# Altium PCB fpga.PcbDoc (part 11 of 11)
Units mm, origin at the board's own origin, x right, y up, seen from the top; angles counter-clockwise.
Board outline 210 x 210 mm, 2 copper layers (Top Layer, Bottom Layer), stack 1.591 mm thick; 639 components, 1839 nets, 4759 pads, 4016 vias.
Unrouted connection lines stored in the file: 10.
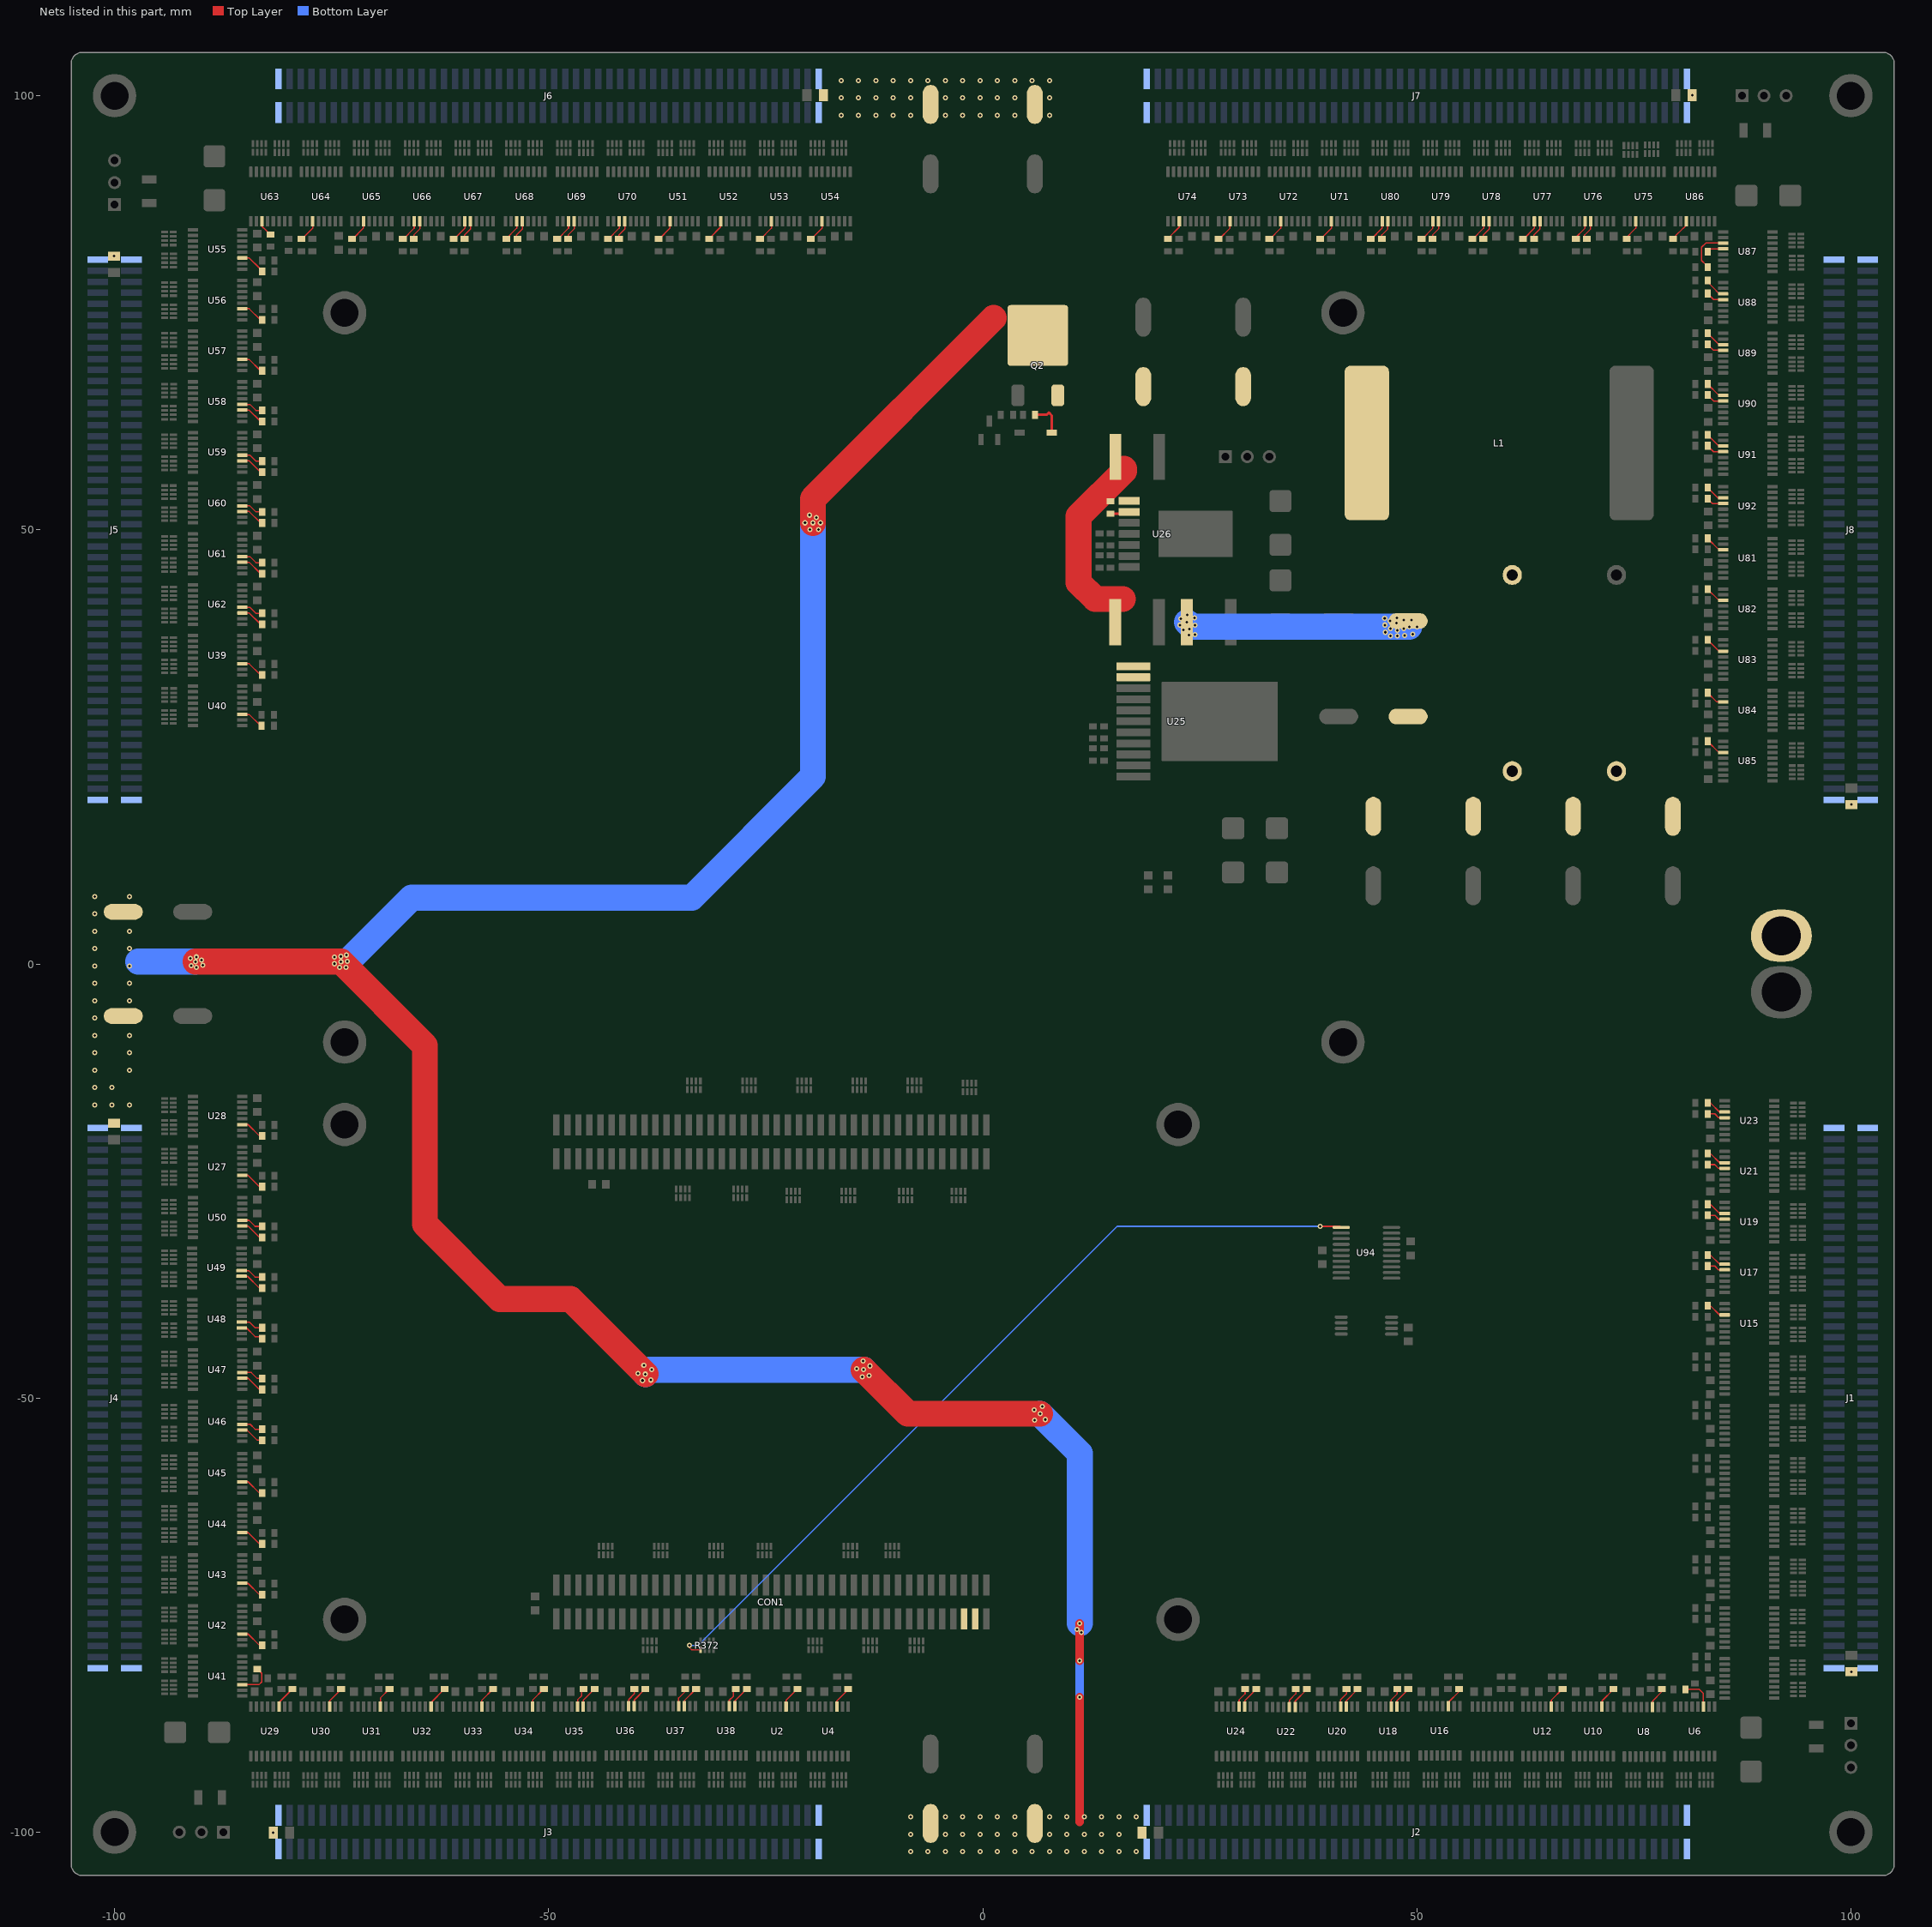
[diagram p11: the nets of this part, all layers, seen from the top]

## Via types
v1: diameter 0.6, hole 0.3, Top Layer to Bottom Layer, tented both sides, 3924 vias
v2: diameter 0.8, hole 0.4, Top Layer to Bottom Layer, tented both sides, 89 vias
v3: diameter 0.6, hole 0.3, Top Layer to Bottom Layer, 3 vias

## Nets (pads, with @x,y where several pads share a name; then routed paths per layer and width w, separated by ;. In a path a pad name is that pad's centre, name@x,y a point inside that pad or via, vN(x,y) a via of type N, cw(c..) or ccw(c..) an arc to the next point about the centre after c; other vN are vias at no path point) (continued)
NetR241_2: R241.2 U46.12 | length 2.5
  Top Layer w0.15: U46.12@-85.288,-53.03 -84.384,-53.03 -83.82,-53.594 R241.2@-82.996,-53.594
NetR242_2: R242.2 U58.12 | length 2.3
  Top Layer w0.15: U58.12@-85.288,64.445 -84.409,64.445 -83.718,63.754 R242.2@-83.25,63.754
NetR243_2: R243.2 U66.12 | length 2.3
  Top Layer w0.15: R243.2@-65.532,83.504 -65.532,83.972 -64.841,84.663 U66.12@-64.841,85.542
NetR244_2: R244.2 U76.12 | length 2.3
  Top Layer w0.15: R244.2@69.342,83.504 69.342,83.972 70.033,84.663 U76.12@70.033,85.542
NetR245_2: R245.2 U15.11 | length 2.4
  Top Layer w0.15: R245.2@83.504,-39.37 83.82,-39.37 84.877,-40.427 U15.11@85.47,-40.427
NetR246_2: R246.2 U16.11 | length 2.5
  Top Layer w0.15: U16.11@53.654,-85.486 53.654,-85.03 54.864,-83.82 R246.2@54.864,-83.504
NetR247_2: R247.2 U17.12 | length 2.1
  Top Layer w0.15: R247.2@83.504,-34.798 84.328,-34.798 84.765,-35.235 U17.12@85.47,-35.235
NetR248_2: R248.2 U18.12 | length 2.3
  Top Layer w0.15: U18.12@47.061,-85.542 47.061,-84.765 47.752,-84.074 R248.2@47.752,-83.504
NetR249_2: R249.2 U35.12 | length 2.3
  Top Layer w0.15: U35.12@-46.665,-85.542 -46.665,-84.765 -46.228,-84.328 -46.228,-83.758 R249.2@-45.974,-83.504
NetR250_2: R250.2 U47.12 | length 2.6
  Top Layer w0.15: U47.12@-85.288,-47.061 -84.257,-47.061 -83.566,-47.752 R250.2@-82.996,-47.752
NetR251_2: R251.2 U59.12 | length 2.3
  Top Layer w0.15: U59.12@-85.288,58.603 -84.409,58.603 -83.718,57.912 R251.2@-83.25,57.912
NetR252_2: R252.2 U67.12 | length 2.3
  Top Layer w0.15: R252.2@-59.69,83.504 -59.69,83.972 -58.999,84.663 U67.12@-58.999,85.542
NetR253_2: R253.2 U77.12 | length 2.3
  Top Layer w0.15: R253.2@63.5,83.504 63.5,83.972 64.191,84.663 U77.12@64.191,85.542
NetR254_2: R254.2 U17.11 | length 2.4
  Top Layer w0.15: R254.2@83.504,-33.528 83.82,-33.528 84.877,-34.585 U17.11@85.47,-34.585
NetR255_2: R255.2 U18.11 | length 2.6
  Top Layer w0.15: U18.11@47.711,-85.542 47.711,-84.877 49.022,-83.566 R255.2@49.022,-83.504
NetR256_2: R256.2 U19.12 | length 2.2
  Top Layer w0.15: R256.2@83.504,-28.956 84.328,-28.956 84.836,-29.464 85.399,-29.464 U19.12@85.47,-29.393
NetR257_2: R257.2 U20.12 | length 2.3
  Top Layer w0.15: U20.12@41.219,-85.542 41.219,-84.765 41.91,-84.074 R257.2@41.91,-83.504
NetR258_2: R258.2 U36.12 | length 2.3
  Top Layer w0.15: U36.12@-40.782,-85.486 -40.782,-84.724 -40.132,-84.074 R258.2@-40.132,-83.504
NetR259_2: R259.2 U48.12 | length 2.6
  Top Layer w0.15: U48.12@-85.344,-41.26 -84.47,-41.26 -83.82,-41.91 R259.2@-82.996,-41.91
NetR260_2: R260.2 U60.12 | length 2.3
  Top Layer w0.15: U60.12@-85.288,52.761 -84.409,52.761 -83.718,52.07 R260.2@-83.25,52.07
NetR261_2: R261.2 U68.12 | length 2.3
  Top Layer w0.15: R261.2@-53.721,83.504 -53.721,83.972 -53.03,84.663 U68.12@-53.03,85.542
NetR262_2: R262.2 U78.12 | length 2.3
  Top Layer w0.15: R262.2@57.658,83.504 57.658,83.972 58.349,84.663 U78.12@58.349,85.542
NetR263_2: R263.2 U19.11 | length 2.4
  Top Layer w0.15: R263.2@83.504,-27.686 83.82,-27.686 84.877,-28.743 U19.11@85.47,-28.743
NetR264_2: R264.2 U20.11 | length 2.6
  Top Layer w0.15: U20.11@41.869,-85.542 41.869,-84.877 43.18,-83.566 R264.2@43.18,-83.504
NetR265_2: R265.2 U21.12 | length 2.1
  Top Layer w0.15: R265.2@83.504,-23.114 84.328,-23.114 84.765,-23.551 U21.12@85.47,-23.551
NetR266_2: R266.2 U22.12 | length 2.4
  Top Layer w0.15: U22.12@35.336,-85.598 35.336,-84.806 36.068,-84.074 R266.2@36.068,-83.504
NetR267_2: R267.2 U37.12 | length 2.3
  Top Layer w0.15: U37.12@-35.022,-85.486 -35.022,-84.552 -34.29,-83.82 R267.2@-34.29,-83.504
NetR268_2: R268.2 U49.12 | length 2.7
  Top Layer w0.15: U49.12@-85.364,-35.326 -84.562,-35.326 -83.82,-36.068 R268.2@-82.996,-36.068
NetR269_2: R269.2 U61.12 | length 2.3
  Top Layer w0.15: U61.12@-85.288,46.919 -84.409,46.919 -83.718,46.228 R269.2@-83.25,46.228
NetR270_2: R270.2 U69.12 | length 2.3
  Top Layer w0.15: R270.2@-47.752,83.504 -47.752,83.972 -47.061,84.663 U69.12@-47.061,85.542
NetR271_2: R271.2 U79.12 | length 2.3
  Top Layer w0.15: R271.2@51.816,83.504 51.816,83.972 52.507,84.663 U79.12@52.507,85.542
NetR272_2: R272.2 U21.11 | length 2.4
  Top Layer w0.15: R272.2@83.504,-21.844 83.82,-21.844 84.877,-22.901 U21.11@85.47,-22.901
NetR273_2: R273.2 U22.11 | length 2.7
  Top Layer w0.15: U22.11@35.986,-85.598 35.986,-84.918 37.338,-83.566 R273.2@37.338,-83.504
NetR274_2: R274.2 U23.12 | length 2.1
  Top Layer w0.15: R274.2@83.504,-17.272 84.328,-17.272 84.765,-17.709 U23.12@85.47,-17.709
NetR275_2: R275.2 U24.12 | length 2.3
  Top Layer w0.15: U24.12@29.535,-85.542 29.535,-84.765 30.226,-84.074 R275.2@30.226,-83.504
NetR276_2: R276.2 U38.12 | length 2.3
  Top Layer w0.15: U38.12@-29.21,-85.486 -29.21,-84.836 -28.702,-84.328 -28.702,-83.758 R276.2@-28.448,-83.504
NetR277_2: R277.2 U50.12 | length 2.6
  Top Layer w0.15: U50.12@-85.288,-29.535 -84.511,-29.535 -83.82,-30.226 R277.2@-82.996,-30.226
NetR278_2: R278.2 U62.12 | length 2.3
  Top Layer w0.15: U62.12@-85.288,41.077 -84.409,41.077 -83.718,40.386 R278.2@-83.25,40.386
NetR279_2: R279.2 U70.12 | length 2.3
  Top Layer w0.15: R279.2@-41.91,83.504 -41.91,83.972 -41.219,84.663 U70.12@-41.219,85.542
NetR280_2: R280.2 U80.12 | length 2.3
  Top Layer w0.15: R280.2@45.974,83.504 45.974,83.972 46.665,84.663 U80.12@46.665,85.542
NetR281_2: R281.2 U23.11 | length 2.4
  Top Layer w0.15: R281.2@83.504,-16.002 83.82,-16.002 84.877,-17.059 U23.11@85.47,-17.059
NetR282_2: R282.2 U24.11 | length 2.6
  Top Layer w0.15: U24.11@30.185,-85.542 30.185,-84.877 31.496,-83.566 R282.2@31.496,-83.504
NetR283_2: R283.2 U71.11 | length 2.6
  Top Layer w0.15: R283.2@38.927,83.504 40.173,84.75 U71.11@40.173,85.542
NetR284_2: R284.2 U81.11 | length 2.3
  Top Layer w0.15: R284.2@83.504,49.022 84.815,47.711 U81.11@85.288,47.711
NetR285_2: R285.2 U2.11 | length 2.6
  Top Layer w0.15: U2.11@-22.647,-85.542 -22.647,-84.815 R285.2@-21.336,-83.504
NetR286_2: R286.2 U27.11 | length 2.8
  Top Layer w0.15: U27.11@-85.288,-24.343 -84.623,-24.343 -83.312,-25.654 R286.2@-82.996,-25.654
NetR287_2: R287.2 U39.11 | length 2.6
  Top Layer w0.15: U39.11@-85.288,34.585 -84.496,34.585 R287.2@-83.25,33.339
NetR288_2: R288.2 U51.11 | length 2.6
  Top Layer w0.15: R288.2@-37.273,83.504 -36.027,84.75 U51.11@-36.027,85.542
NetR289_2: R289.2 U72.11 | length 2.6
  Top Layer w0.15: R289.2@33.085,83.504 34.331,84.75 U72.11@34.331,85.542
NetR290_2: R290.2 U82.11 | length 2.3
  Top Layer w0.15: R290.2@83.504,43.18 84.815,41.869 U82.11@85.288,41.869
NetR291_2: R291.2 U4.11 | length 2.6
  Top Layer w0.15: U4.11@-16.805,-85.542 -16.805,-84.877 -15.494,-83.566 R291.2@-15.494,-83.504
NetR292_2: R292.2 U28.11 | length 2.8
  Top Layer w0.15: U28.11@-85.288,-18.501 -84.623,-18.501 -83.312,-19.812 R292.2@-82.996,-19.812
NetR293_2: R293.2 U40.11 | length 2.6
  Top Layer w0.15: U40.11@-85.288,28.743 -84.496,28.743 R293.2@-83.25,27.497
NetR294_2: R294.2 U52.11 | length 2.6
  Top Layer w0.15: R294.2@-31.442,83.306 -31.442,83.62 -30.196,84.866 U52.11@-30.196,85.344
NetR295_2: R295.2 U73.11 | length 2.6
  Top Layer w0.15: R295.2@27.243,83.504 28.489,84.75 U73.11@28.489,85.542
NetR296_2: R296.2 U83.11 | length 2.3
  Top Layer w0.15: R296.2@83.504,37.338 84.815,36.027 U83.11@85.288,36.027
NetR297_2: R297.2 U6.11 | length 3.8
  Top Layer w0.15: R297.2@80.964,-83.566 82.55,-83.566 83.017,-84.033 U6.11@83.017,-85.542
NetR298_2: R298.2 U29.11 | length 2.7
  Top Layer w0.15: U29.11@-81.067,-85.542 -81.067,-85.069 R298.2@-79.502,-83.504
NetR299_2: R299.2 U41.11 | length 4.1
  Top Layer w0.15: U41.11@-85.288,-83.017 -83.361,-83.017 -83.058,-82.714 -83.058,-81.726 R299.2@-83.566,-81.218
NetR300_2: R300.2 U53.11 | length 2.6
  Top Layer w0.15: R300.2@-25.589,83.504 -24.343,84.75 U53.11@-24.343,85.542
NetR301_2: R301.2 U74.11 | length 2.6
  Top Layer w0.15: R301.2@21.39,83.306 21.39,83.62 22.636,84.866 U74.11@22.636,85.344
NetR302_2: R302.2 U84.11 | length 2.2
  Top Layer w0.15: R302.2@83.504,31.242 84.561,30.185 U84.11@85.288,30.185
NetR303_2: R303.2 U8.11 | length 2.5
  Top Layer w0.15: U8.11@77.164,-85.598 77.164,-84.888 78.232,-83.82 R303.2@78.232,-83.504
NetR304_2: R304.2 U30.11 | length 2.6
  Top Layer w0.15: U30.11@-75.225,-85.542 -75.225,-84.877 -73.914,-83.566 R304.2@-73.914,-83.504
NetR305_2: R305.2 U42.11 | length 2.8
  Top Layer w0.15: U42.11@-85.288,-77.175 -84.623,-77.175 -83.312,-78.486 R305.2@-82.996,-78.486
NetR306_2: R306.2 U54.11 | length 2.6
  Top Layer w0.15: R306.2@-19.747,83.504 -18.501,84.75 U54.11@-18.501,85.542
NetR307_2: R307.2 U10.11 | length 2.6
  Top Layer w0.15: U10.11@71.333,-85.542 71.333,-84.877 72.644,-83.566 R307.2@72.644,-83.504
NetR308_2: R308.2 U31.11 | length 2.5
  Top Layer w0.15: U31.11@-69.383,-85.542 -69.383,-84.561 R308.2@-68.326,-83.504
NetR309_2: R309.2 U43.11 | length 2.8
  Top Layer w0.15: U43.11@-85.288,-71.333 -84.623,-71.333 -83.312,-72.644 R309.2@-82.996,-72.644
NetR310_2: R310.2 U55.11 | length 2.6
  Top Layer w0.15: U55.11@-85.288,81.321 -84.496,81.321 R310.2@-83.25,80.075
NetR311_2: R311.2 U63.11 | length 2
  Top Layer w0.15: U63.11@-83.017,85.542 -83.017,84.922 -82.88,84.785 -82.815,84.785 R311.2@-82.042,84.012
NetR312_2: R312.2 U85.11 | length 2.3
  Top Layer w0.15: R312.2@83.504,25.654 84.815,24.343 U85.11@85.288,24.343
NetR313_2: R313.2 U12.11 | length 2.6
  Top Layer w0.15: U12.11@65.491,-85.542 65.491,-84.815 R313.2@66.802,-83.504
NetR314_2: R314.2 U32.11 | length 2.7
  Top Layer w0.15: U32.11@-63.541,-85.542 -63.541,-85.069 R314.2@-61.976,-83.504
NetR315_2: R315.2 U44.11 | length 2.8
  Top Layer w0.15: U44.11@-85.288,-65.491 -84.623,-65.491 -83.312,-66.802 R315.2@-82.996,-66.802
NetR316_2: R316.2 U56.11 | length 2.6
  Top Layer w0.15: U56.11@-85.288,75.479 -84.496,75.479 R316.2@-83.25,74.233
NetR317_2: R317.2 U64.11 | length 2.6
  Top Layer w0.15: R317.2@-78.486,83.504 -78.421,83.504 -77.175,84.75 U64.11@-77.175,85.542
NetR318_2: R318.2 U86.11 | length 2.6
  Top Layer w0.15: R318.2@79.821,83.504 79.821,83.885 80.653,84.717 80.681,84.717 81.067,85.103 U86.11@81.067,85.542
NetR319_2: R319.2 U87.12 | length 1.9
  Top Layer w0.15: R319.2@83.504,82.042 83.829,82.367 U87.12@85.288,82.367
NetR320_2: R320.2 U87.11 | length 5.5
  Top Layer w0.15: R320.2@83.312,79.948 83.312,80.518 82.804,81.026 82.804,82.55 83.312,83.058 85.247,83.058 U87.11@85.288,83.017
NetR321_2: R321.2 U33.11 | length 2.6
  Top Layer w0.15: U33.11@-57.699,-85.542 -57.699,-84.815 R321.2@-56.388,-83.504
NetR322_2: R322.2 U45.11 | length 2.8
  Top Layer w0.15: U45.11@-85.288,-59.649 -84.623,-59.649 -83.312,-60.96 R322.2@-82.996,-60.96
NetR323_2: R323.2 U57.11 | length 2.6
  Top Layer w0.15: U57.11@-85.288,69.637 -84.496,69.637 R323.2@-83.25,68.391
NetR324_2: R324.2 U65.11 | length 2.6
  Top Layer w0.15: R324.2@-72.579,83.504 -71.333,84.75 U65.11@-71.333,85.542
NetR325_2: R325.2 U75.11 | length 2.6
  Top Layer w0.15: R325.2@73.979,83.504 75.225,84.75 U75.11@75.225,85.542
NetR326_2: R326.2 U88.12 | length 2.1
  Top Layer w0.15: R326.2@83.504,77.216 84.195,76.525 U88.12@85.288,76.525
NetR327_2: R327.2 U88.11 | length 2.3
  Top Layer w0.15: R327.2@83.504,78.486 83.566,78.486 84.463,77.589 84.463,77.561 84.849,77.175 U88.11@85.288,77.175
NetR328_2: R328.2 U34.11 | length 2.6
  Top Layer w0.15: U34.11@-51.857,-85.542 -51.857,-84.815 R328.2@-50.546,-83.504
NetR329_2: R329.2 U46.11 | length 2.8
  Top Layer w0.15: U46.11@-85.288,-53.68 -84.75,-53.68 -83.566,-54.864 R329.2@-82.996,-54.864
NetR330_2: R330.2 U58.11 | length 2.6
  Top Layer w0.15: U58.11@-85.288,63.795 -84.496,63.795 R330.2@-83.25,62.549
NetR331_2: R331.2 U66.11 | length 2.6
  Top Layer w0.15: R331.2@-66.737,83.504 -65.491,84.75 U66.11@-65.491,85.542
NetR332_2: R332.2 U76.11 | length 2.6
  Top Layer w0.15: R332.2@68.137,83.504 69.383,84.75 U76.11@69.383,85.542
NetR333_2: R333.2 U89.12 | length 2.1
  Top Layer w0.15: R333.2@83.504,71.374 84.195,70.683 U89.12@85.288,70.683
NetR334_2: R334.2 U89.11 | length 2.3
  Top Layer w0.15: R334.2@83.504,72.644 84.815,71.333 U89.11@85.288,71.333
NetR335_2: R335.2 U35.11 | length 2.6
  Top Layer w0.15: U35.11@-46.015,-85.542 -46.015,-84.815 R335.2@-44.704,-83.504
NetR336_2: R336.2 U47.11 | length 2.8
  Top Layer w0.15: U47.11@-85.288,-47.711 -84.623,-47.711 -83.312,-49.022 R336.2@-82.996,-49.022
NetR337_2: R337.2 U59.11 | length 2.6
  Top Layer w0.15: U59.11@-85.288,57.953 -84.496,57.953 R337.2@-83.25,56.707
NetR338_2: R338.2 U67.11 | length 2.6
  Top Layer w0.15: R338.2@-60.895,83.504 -59.649,84.75 U67.11@-59.649,85.542
NetR339_2: R339.2 U77.11 | length 2.6
  Top Layer w0.15: R339.2@62.295,83.504 63.541,84.75 U77.11@63.541,85.542
NetR340_2: R340.2 U90.12 | length 2.1
  Top Layer w0.15: R340.2@83.504,65.532 84.195,64.841 U90.12@85.288,64.841
NetR341_2: R341.2 U90.11 | length 2.3
  Top Layer w0.15: R341.2@83.504,66.802 84.815,65.491 U90.11@85.288,65.491
NetR342_2: R342.2 U36.11 | length 2.5
  Top Layer w0.15: U36.11@-40.132,-85.486 -40.132,-84.774 R342.2@-38.862,-83.504
NetR343_2: R343.2 U48.11 | length 2.9
  Top Layer w0.15: U48.11@-85.344,-41.91 -84.836,-41.91 -83.82,-42.926 -83.25,-42.926 R343.2@-82.996,-43.18
NetR344_2: R344.2 U60.11 | length 2.6
  Top Layer w0.15: U60.11@-85.288,52.111 -84.496,52.111 R344.2@-83.25,50.865
NetR345_2: R345.2 U68.11 | length 2.6
  Top Layer w0.15: R345.2@-54.926,83.504 -53.68,84.75 U68.11@-53.68,85.542
NetR346_2: R346.2 U78.11 | length 2.6
  Top Layer w0.15: R346.2@56.453,83.504 57.699,84.75 U78.11@57.699,85.542
NetR347_2: R347.2 U91.12 | length 2.1
  Top Layer w0.15: R347.2@83.504,59.69 84.195,58.999 U91.12@85.288,58.999
NetR348_2: R348.2 U91.11 | length 2.3
  Top Layer w0.15: R348.2@83.504,60.96 84.815,59.649 U91.11@85.288,59.649
NetR349_2: R349.2 U37.11 | length 2.5
  Top Layer w0.15: U37.11@-34.372,-85.486 -34.372,-84.856 R349.2@-33.02,-83.504
NetR350_2: R350.2 U49.11 | length 2.9
  Top Layer w0.15: U49.11@-85.364,-35.976 -84.674,-35.976 -83.312,-37.338 R350.2@-82.996,-37.338
NetR351_2: R351.2 U61.11 | length 2.6
  Top Layer w0.15: U61.11@-85.288,46.269 -84.496,46.269 R351.2@-83.25,45.023
NetR352_2: R352.2 U69.11 | length 2.6
  Top Layer w0.15: R352.2@-48.957,83.504 -47.711,84.75 U69.11@-47.711,85.542
NetR353_2: R353.2 U79.11 | length 2.6
  Top Layer w0.15: R353.2@50.611,83.504 51.857,84.75 U79.11@51.857,85.542
NetR354_2: R354.2 U92.12 | length 2
  Top Layer w0.15: R354.2@83.504,53.594 84.068,53.03 U92.12@85.288,53.03
NetR355_2: R355.2 U92.11 | length 2.3
  Top Layer w0.15: R355.2@83.504,54.864 84.688,53.68 U92.11@85.288,53.68
NetR356_2: R356.2 U38.11 | length 2.6
  Top Layer w0.15: U38.11@-28.56,-85.486 -28.56,-84.886 R356.2@-27.178,-83.504
NetR357_2: R357.2 U50.11 | length 2.8
  Top Layer w0.15: U50.11@-85.288,-30.185 -84.623,-30.185 -83.312,-31.496 R357.2@-82.996,-31.496
NetR358_2: R358.2 U62.11 | length 2.6
  Top Layer w0.15: U62.11@-85.288,40.427 -84.496,40.427 R358.2@-83.25,39.181
NetR359_2: R359.2 U70.11 | length 2.6
  Top Layer w0.15: R359.2@-43.115,83.504 -41.869,84.75 U70.11@-41.869,85.542
NetR360_2: R360.2 U80.11 | length 2.6
  Top Layer w0.15: R360.2@44.769,83.504 46.015,84.75 U80.11@46.015,85.542
NetR361_2: R361.2 U26.2 | length 2.2
  Top Layer w0.3: R361.2@14.732,51.878 16.683,51.878 U26.2@16.875,52.07
SCL: CON1.78
SDA: CON1.76
SHFT_CLK_OUT: R372.5 U94.1 | length 96.8
  Top Layer w0.15: v1(-33.782,-78.486) -33.782,-78.74 -33.536,-78.986 R372.5@-32.5,-78.986 ; v1(38.862,-30.226) 41.173,-30.226 U94.1@41.296,-30.349
  Bottom Layer w0.15: v1(-33.782,-78.486) -32.766,-78.486 15.494,-30.226 v1(38.862,-30.226)
VIN: C99.2 C100.2 C101.2 C102.2 F1.1 F2.1 pad.6
VSYS: C103.2 C104.2 C117.2 C118.2 C119.2 F2.2 R361.1 U25.1 U25.2 U26.1 | length 47
  Top Layer w3: 16.129,42.037 12.954,42.037 11.049,43.942 11.049,51.562 16.256,56.769 16.256,57.023
  Bottom Layer w3: v1(23.51,39.37) 24.043,38.837 v1(49.149,38.837)
  other v1: 46.99,37.77 47.777,37.795 48.59,37.821 23.774,37.871 24.46,37.948 49.555,37.973 46.38,38.202 47.777,38.43 23.114,38.481 23.8,38.557 48.489,38.608 46.965,38.633 50.038,38.811 24.435,39.014 22.733,39.04 46.33,39.04 47.65,39.243 46.914,39.497 49.378,39.599 48.514,39.624 22.809,39.776 46.304,39.827 24.384,39.878 47.701,39.878 23.546,40.208
VUS: C91.2 C92.2 C93.2 C94.2 C95.2 C96.2 C97.2 C98.2 C105.2 C106.2 C107.2 C108.2 C109.2 C110.2 J1.1 J1.2 J1.99 J1.100 J2.1 J2.2 J2.99 J2.100 J3.1 J3.2 J3.99 J3.100 J4.1 J4.2 J4.99 J4.100 J5.1 J5.2 J5.99 J5.100 J6.1 J6.2 J6.99 J6.100 J7.1 J7.2 J7.99 J7.100 J8.1 J8.2 J8.99 J8.100 Q2.2 | length 311.5
  Top Layer w1: 11.176,-98.806 v1(11.176,-84.455) ; v1(11.176,-80.264) v1(11.176,-75.946)
  Top Layer w3: v1(-90.678,0.254) v1(-73.914,0.254) -64.262,-9.398 -64.262,-29.972 -55.626,-38.608 -47.498,-38.608 v1(-38.862,-47.244) ; v1(-19.558,50.8) -19.558,53.594 1.27,74.422 ; v1(-13.716,-46.736) -8.636,-51.816 v1(6.604,-51.816)
  Bottom Layer w1: v1(11.176,-84.455) v1(11.176,-80.264)
  Bottom Layer w3: -97.282,0.254 v1(-90.678,0.254) ; v1(-73.914,0.254) -73.152,0.254 -65.786,7.62 -33.528,7.62 -19.558,21.59 v1(-19.558,50.8) ; v1(-38.862,-47.244) -38.354,-46.736 v1(-13.716,-46.736) ; v1(6.604,-51.816) 11.176,-56.388 v1(11.176,-75.946)
  other v1: -8.306,-102.242 -6.306,-102.242 -4.306,-102.242 -2.306,-102.242 -0.306,-102.242 1.694,-102.242 3.694,-102.242 5.694,-102.242 7.694,-102.242 9.694,-102.242 11.694,-102.242 13.694,-102.242 15.694,-102.242 17.694,-102.242 -8.306,-100.242 -4.306,-100.242 -2.306,-100.242 -0.306,-100.242 1.694,-100.242 3.694,-100.242 7.694,-100.242 9.694,-100.242 11.694,-100.242 13.694,-100.242 15.694,-100.242 -81.722,-100.076 -8.306,-98.242 -4.306,-98.242 -2.306,-98.242 -0.306,-98.242 1.694,-98.242 3.694,-98.242 7.694,-98.242 9.694,-98.242 11.694,-98.242 13.694,-98.242 15.694,-98.242 17.694,-98.242 100.076,-81.534 11.354,-76.987 10.846,-76.657 5.969,-52.553 7.214,-52.476 5.918,-51.384 6.883,-50.978 -39.192,-47.981 -38.227,-47.93 -13.894,-47.549 -13.081,-47.396 -39.726,-47.168 -38.125,-46.736 -14.529,-46.634 -13.005,-46.304 -39.04,-46.228 -13.792,-45.72 -102.306,-16.242 -100.306,-16.242 -98.306,-16.242 -102.306,-14.242 -100.306,-14.242 -102.306,-12.242 -98.306,-12.242 -102.306,-10.242 -98.306,-10.242 -102.306,-8.242 -98.306,-8.242 -102.306,-6.242 -102.306,-4.242 -98.306,-4.242 -102.306,-2.242 -98.306,-2.242 -74.066,-0.406 -73.33,-0.406 -90.602,-0.381 -102.306,-0.242 -98.306,-0.242 -91.186,-0.178 -89.84,-0.152 -74.676,0.025 -73.177,0.305 -89.992,0.432 -91.262,0.66 -74.676,0.787 -90.602,0.813 -73.939,0.864 -73.304,1.016 -102.306,1.758 -98.306,1.758 -102.306,3.758 -98.306,3.758 -102.306,5.758 -102.306,7.758 -98.306,7.758 100.076,18.354 -19.888,50.038 -18.923,50.038 -20.472,50.8 -18.694,50.8 -19.177,51.435 -19.939,51.689 -100.076,81.534 -16.306,97.758 -14.306,97.758 -12.306,97.758 -10.306,97.758 -8.306,97.758 -4.306,97.758 -2.306,97.758 -0.306,97.758 1.694,97.758 3.694,97.758 7.694,97.758 -16.306,99.758 -14.306,99.758 -12.306,99.758 -10.306,99.758 -8.306,99.758 -4.306,99.758 -2.306,99.758 -0.306,99.758 1.694,99.758 3.694,99.758 7.694,99.758 81.722,100.076 -16.306,101.758 -14.306,101.758 -12.306,101.758 -10.306,101.758 -8.306,101.758 -6.306,101.758 -4.306,101.758 -2.306,101.758 -0.306,101.758 1.694,101.758 3.694,101.758 5.694,101.758 7.694,101.758
VUSP: C111.2 C112.2 D1.2 L1.2 Q2.3 R390.1 | length 4.1
  Top Layer w0.3: R390.1@6.034,63.246 7.366,63.246 7.62,63.5 7.946,63.174 D1.2@7.946,61.214
pads on no net: CON1.5 CON1.6 CON1.8 CON1.10 CON1.12 CON1.14 CON1.15 CON1.39 CON1.40 CON1.42 CON1.45 CON1.47 CON1.49 CON1.77 CON1.79 CON1.80 CON2.5 CON2.6 CON2.7 CON2.8 CON2.9 CON2.11 CON2.12 CON2.13 CON2.14 CON2.15 CON2.16 CON2.17 CON2.18 CON2.19 L1.0 P1.3 P2.3 P3.3 P4.3 P5.3 U1.9 U2.9 U3.9 U4.9 U5.9 U6.9 U7.9 U8.9 U9.9 U10.9 U11.9 U12.9 U13.9 U14.9 U15.9 U16.9 U17.9 U18.9 U19.9 U20.9 U21.9 U22.9 U23.9 U24.9 U25.4 U25.9 U26.3 U27.9 U28.9 U29.9 U30.9 U31.9 U32.9 U33.9 U34.9 U35.9 U36.9 U37.9 U38.9 U39.9 U40.9 U41.9 U42.9 U43.9 U44.9 U45.9 U46.9 U47.9 U48.9 U49.9 U50.9 U51.9 U52.9 U53.9 U54.9 U55.9 U56.9 U57.9 U58.9 U59.9 U60.9 U61.9 U62.9 U63.9 U64.9 U65.9 U66.9 U67.9 U68.9 U69.9 U70.9 U71.9 U72.9 U73.9 U74.9 U75.9 U76.9 U77.9 U78.9 U79.9 U80.9 U81.9 U82.9 U83.9 U84.9 U85.9 U86.9 U87.9 U88.9 U89.9 U90.9 U91.9 U92.9 U93.0
copper on no net: | length 0.5
  Top Layer w0.15: -62.496,97.499 -62.128,97.866
  Top Layer w0.2: -61.57,98.332 -61.57,98.349

## Polygon pours and split planes (outlines as drawn)
no net on Top Overlay "Top Overlay-No Net" (solid): 94,-7.5 103,-7.5 103.5,-7 103.5,-6 97.5,-6 96.5,-5
no net on Top Overlay "Top Overlay-No Net" (solid): 96,7 103,7 103.5,6.5 103.5,6 97.286,5.714
VUS on Top Layer "Top Overlay-No Net" (solid, pour order 32): -102.87,-19.304 -97.028,-19.304 -96.266,-18.542 -96.266,9.144 -97.028,9.906 -102.108,9.906 -103.632,8.382 -103.632,-18.542
VUS on Top Layer "Top Overlay-No Net" (solid, pour order 28): 19.304,-102.87 19.304,-97.028 18.542,-96.266 -9.144,-96.266 -9.906,-97.028 -9.906,-102.108 -8.382,-103.632 18.542,-103.632
VSYS on Top Layer "Top Layer-No Net" (solid, pour order 22): 19.304,32.512 19.558,32.766 19.558,36.068 19.05,36.576 19.05,42.164 19.558,42.672 21.59,42.672 22.098,42.164 22.098,36.83 22.606,36.322 24.384,36.322 24.892,36.83 24.892,43.18 23.876,44.196 15.24,44.196 14.224,43.18 14.224,32.766 14.478,32.512
VSYS on Top Layer "Top Layer-No Net" (solid, pour order 20): 14.224,61.214 14.478,61.468 18.034,61.468 18.288,61.214 18.288,53.086 18.034,52.832 14.478,52.832 14.224,53.086
5V on Top Layer "Top Layer-No Net" (solid, pour order 24): 19.558,23.368 25.146,17.78 29.718,17.78 30.734,16.764 30.734,9.144 29.972,8.382 25.654,8.382 15.24,18.796 15.24,23.114 15.494,23.368
VUSP on Top Layer "Top Layer-No Net" (solid, pour order 18): 16.764,69.85 14.605,69.85 12.065,67.31 7.62,67.31 6.985,66.675 6.985,63.5 7.747,62.738 18.445,62.738
VSYS on Top Layer "Top Overlay-No Net" (solid, pour order 12): 64.77,43.18 63.5,41.91 55.88,41.91 53.34,39.37 53.34,27.94 52.07,26.67 46.99,26.67 45.72,27.94 45.72,43.18 51.054,48.514 63.246,48.514 64.77,46.99
NetF1_2 on Top Layer "Top Overlay-No Net" (solid, pour order 2): 76.2,69.85 77.978,68.072 77.978,44.958 74.93,41.91 70.866,41.91 68.072,44.704 68.072,68.072 69.85,69.85
VUSP on Top Layer "Top Overlay-No Net" (solid, pour order 4): 47.498,68.072 47.498,52.07 45.72,50.292 39.878,50.292 38.1,52.07 38.1,60.198 35.56,62.738 17.526,62.738 15.748,64.516 15.748,68.834 16.764,69.85 45.72,69.85
VUS on Top Layer "Top Overlay-No Net" (solid, pour order 6): -19.304,102.87 -19.304,97.028 -18.542,96.266 9.144,96.266 9.906,97.028 9.906,102.108 8.382,103.632 -18.542,103.632
VIN on Top Layer "Top Overlay-No Net" (solid, pour order 0): 95.504,0.254 97.028,1.778 97.028,8.89 86.36,19.558 81.534,19.558 76.708,24.384 57.404,24.384 52.578,19.558 44.45,19.558 43.18,18.288 43.18,14.732 44.45,13.462 80.518,13.462 86.36,7.62 86.36,2.794 88.9,0.254
VUS on Top Layer "Top Layer-No Net" (solid, pour order 16): -4.445,97.79 -4.445,73.66 1.27,67.945 10.795,67.945 12.065,69.215 12.065,83.185 8.255,86.995 5.715,86.995 4.445,88.265 4.445,95.25 4.445,97.79
12V on Top Layer "Top Layer-No Net" (solid, pour order 26): 14.478,46.355 14.224,46.101 14.224,45.72 15.24,44.704 29.464,44.704 32.258,41.91 36.322,41.91 37.084,42.672 37.084,49.784 36.322,50.546 32.639,50.546 31.623,49.53 31.623,47.371 30.607,46.355
GND on Top Layer "Top Layer-No Net" (solid, remove dead copper, pour order 58): 105,105 -105,105 -105,-105 105,-105
VUS on Bottom Layer "Top Layer-No Net" (solid, pour order 48): -96.52,81.026 -97.028,80.518 -104.14,80.518 -104.648,81.026 -104.648,103.632 -103.632,104.648 -81.788,104.648 -80.518,103.378 -80.518,96.837 -80.835,96.52 -97.79,96.52 -101.092,93.218 -101.092,85.09 -101.092,86.106 -100.076,85.09 -98.806,85.09 -96.52,82.804
VUS on Bottom Layer "Top Overlay-No Net" (solid, pour order 8): -19.304,102.87 -18.542,103.632 18.542,103.632 19.304,102.87 19.304,101.092 19.304,97.028 18.542,96.266 -18.542,96.266 -19.304,97.028
VUS on Bottom Layer "Top Layer-No Net" (solid, pour order 44): 96.52,-81.026 97.028,-80.518 104.14,-80.518 104.648,-81.026 104.648,-103.632 103.632,-104.648 81.788,-104.648 80.518,-103.378 80.518,-96.837 80.835,-96.52 97.79,-96.52 101.092,-93.218 101.092,-85.09 101.092,-86.106 100.076,-85.09 98.806,-85.09 96.52,-82.804
VUS on Bottom Layer "Top Layer-No Net" (solid, pour order 42): -81.026,-96.52 -80.518,-97.028 -80.518,-104.14 -81.026,-104.648 -103.632,-104.648 -104.648,-103.632 -104.648,-81.788 -103.378,-80.518 -96.837,-80.518 -96.52,-80.835 -96.52,-97.79 -93.218,-101.092 -85.09,-101.092 -86.106,-101.092 -85.09,-100.076 -85.09,-98.806 -82.804,-96.52
VUS on Bottom Layer "Top Overlay-No Net" (solid, pour order 38): 102.87,19.304 103.632,18.542 103.632,-18.542 102.87,-19.304 101.092,-19.304 97.028,-19.304 96.266,-18.542 96.266,18.542 97.028,19.304
VUS on Bottom Layer "Top Overlay-No Net" (solid, pour order 30): 19.304,-102.87 18.542,-103.632 -18.542,-103.632 -19.304,-102.87 -19.304,-101.092 -19.304,-97.028 19.304,-97.028
VUS on Bottom Layer "Top Layer-No Net" (solid, pour order 46): 81.026,96.52 80.518,97.028 80.518,104.14 81.026,104.648 103.632,104.648 104.648,103.632 104.648,81.788 103.378,80.518 96.837,80.518 96.52,80.835 96.52,97.79 93.218,101.092 85.09,101.092 86.106,101.092 85.09,100.076 85.09,98.806 82.804,96.52
VUS on Bottom Layer "Top Layer-No Net" (solid, pour order 56): 104.648,-82.804 104.648,81.788 102.623,81.788 101.95,81.115 101.95,-81.115
VUS on Bottom Layer "Top Layer-No Net" (solid, pour order 54): 82.804,104.648 -81.788,104.648 -81.788,102.623 -81.115,101.95 81.115,101.95
VUS on Bottom Layer "Top Layer-No Net" (solid, pour order 52): -82.804,-104.648 81.788,-104.648 81.788,-102.623 81.115,-101.95 -81.115,-101.95
VUS on Bottom Layer "Top Overlay-No Net" (solid, pour order 34): -102.87,-19.304 -103.632,-18.542 -103.632,18.542 -102.87,19.304 -101.092,19.304 -97.028,19.304 -96.266,18.542 -96.266,-18.542 -97.028,-19.304
VUS on Bottom Layer "Top Layer-No Net" (solid, pour order 50): -104.648,82.804 -104.648,-81.788 -102.623,-81.788 -101.95,-81.115 -101.95,81.115
GND on Bottom Layer "Top Layer-No Net" (solid, remove dead copper, pour order 60): 105,105 -105,105 -105,-105 105,-105

## Silkscreen, mask and mechanical layers (free items; w line width, h text height)
Top Overlay:
  drawing of 2343 lines, arcs and shapes, not listed
  text "HAARP" at 65.253,76.276 h5
  text "POWERED BY" at -58.826,71.628 h10
  text "Chemtrail / Accumulator" at -4.648,11.252 h5
  text "flux / capacitor" at -84.557,1.727 h5
  text "MAGIC" at -49.073,-4.978 h10
  text "-  + / 7-32V" at 103.5,-6 h4 r90
  text "Scalar Wave / Generator" at 60.884,-11.608 h5
  text "Anti-gravity / source" at 53.645,-25.552 h5
  text "Ultrasonic / Phased Array /  / Niklas Fauth / 2017" at 30.696,-76.006 h8
Bottom Overlay:
  circle w1: c100,100 r3.702
Mechanical 1:
  the board outline again, w0.2